# Altium PCB 400182.PcbDoc (part 1 of 3) (continued)
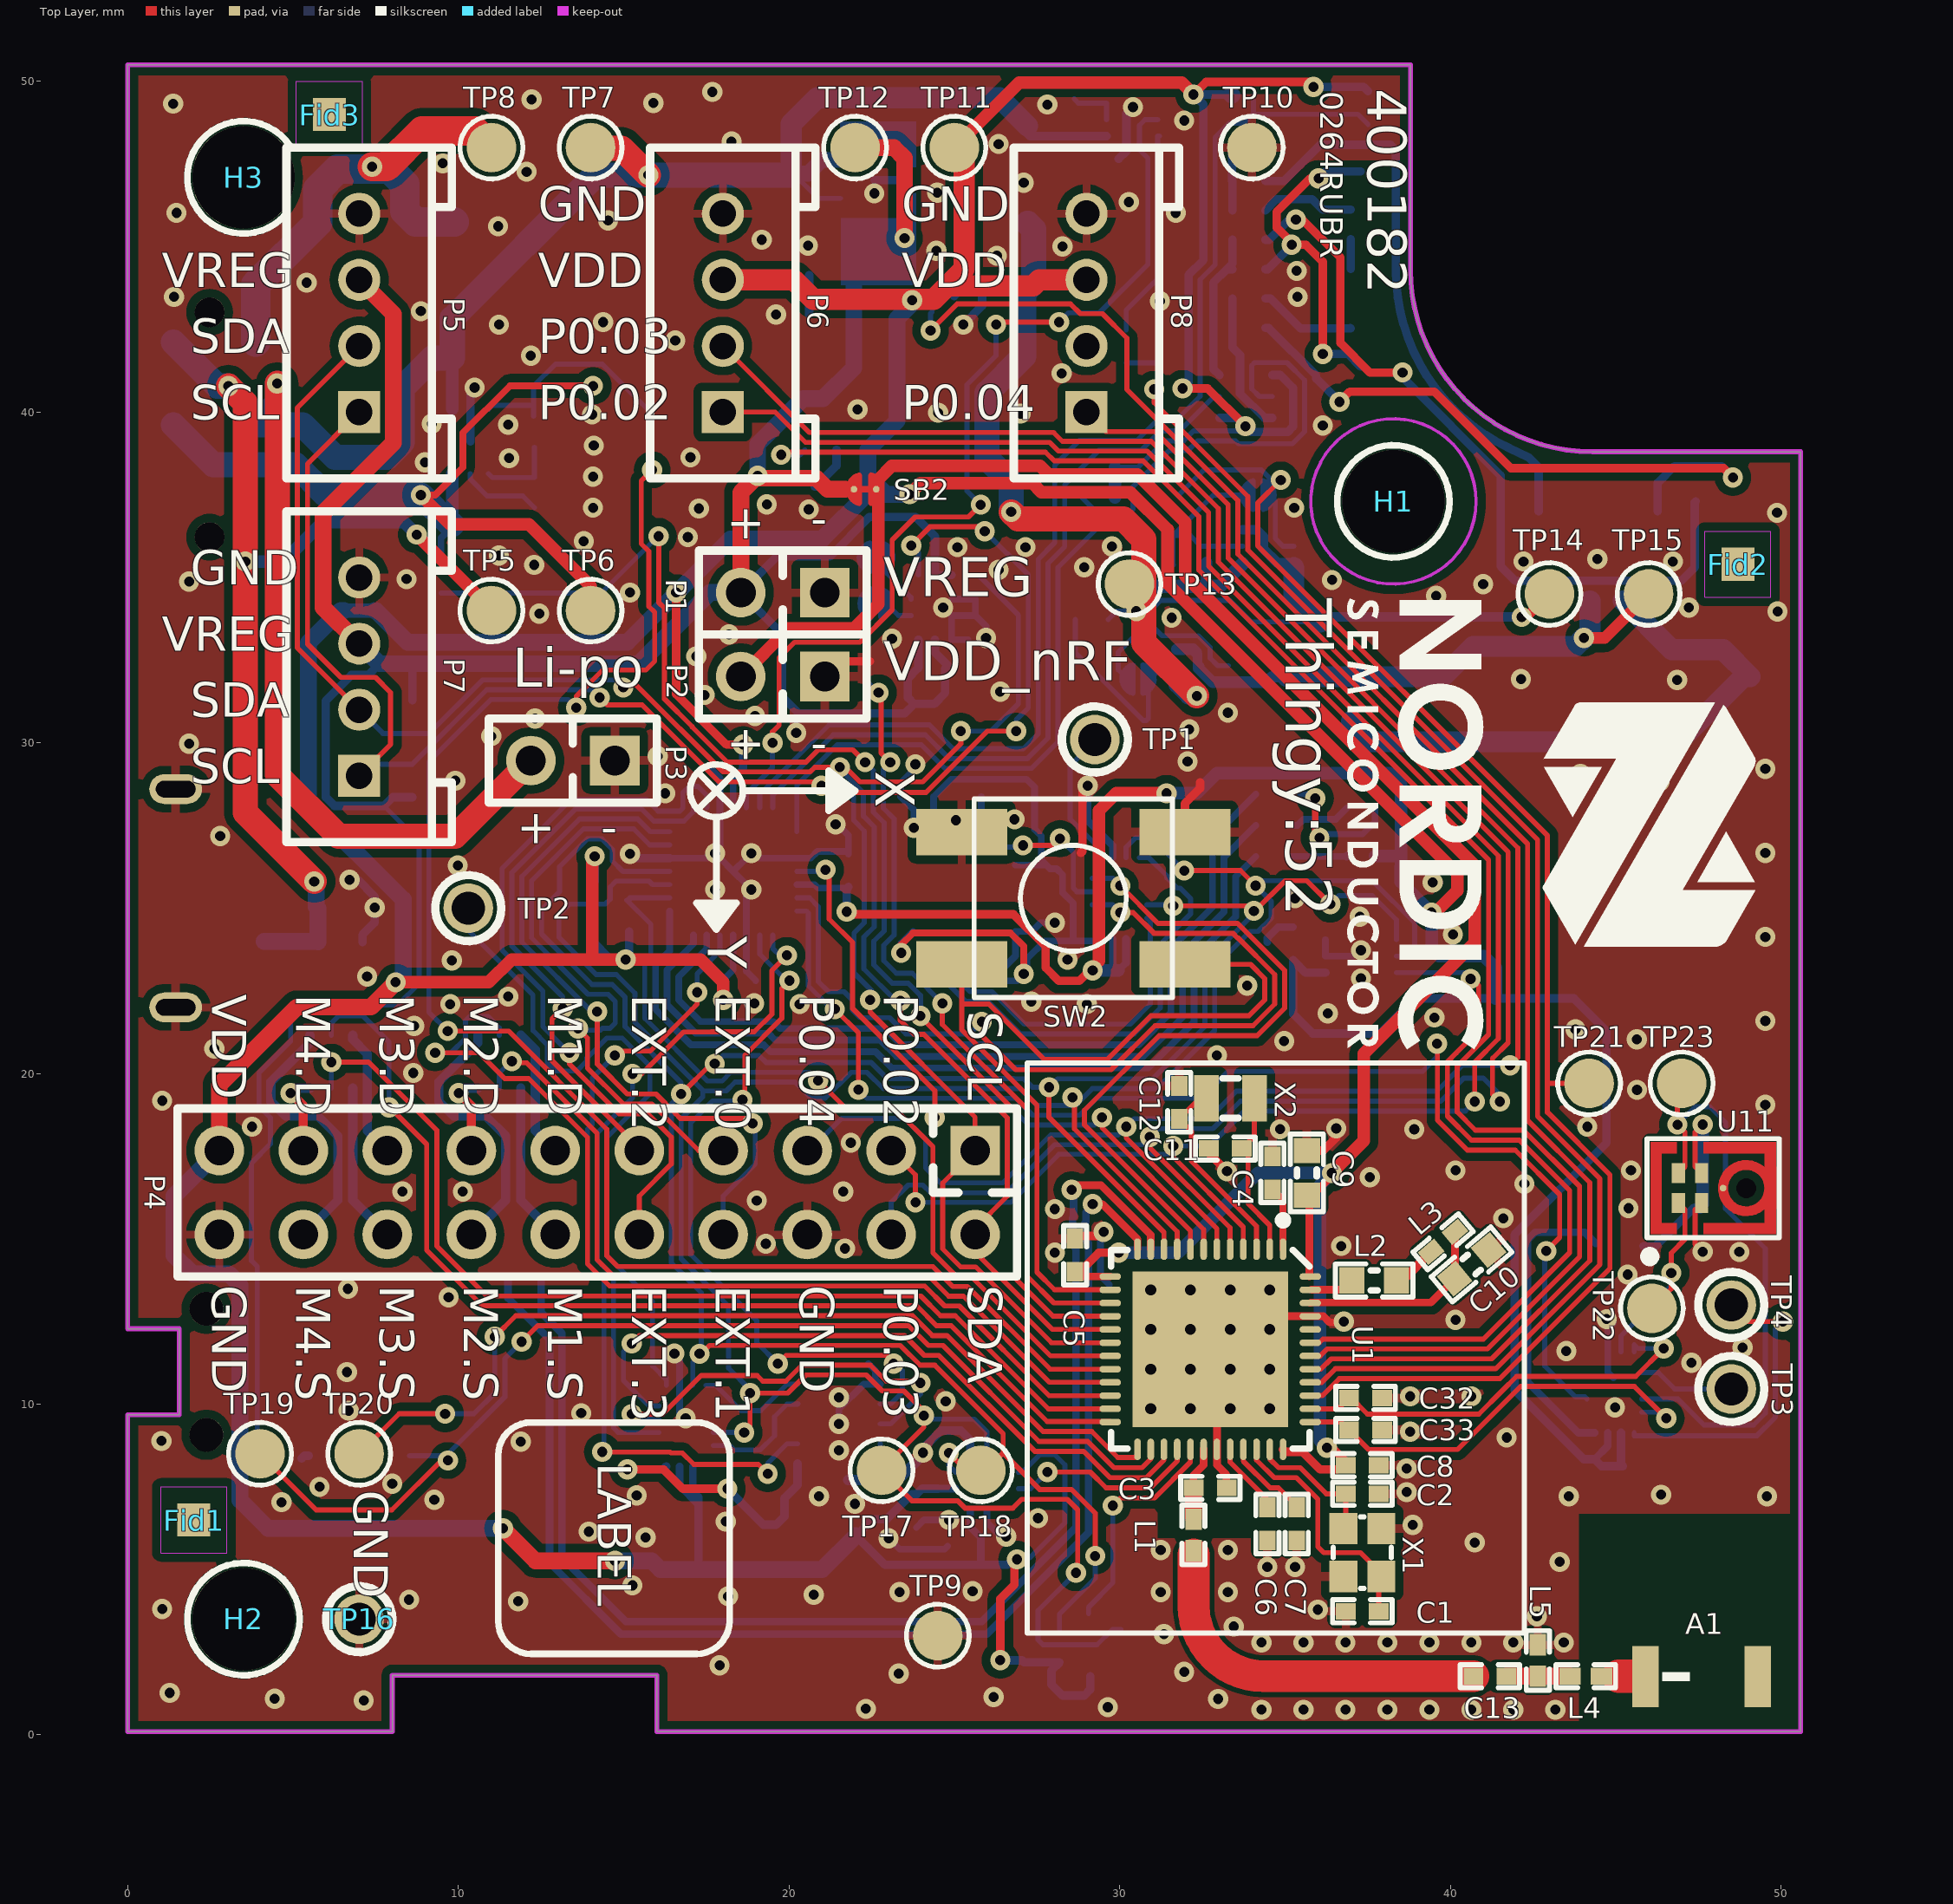
[diagram p0: Top Layer view]
## Components (designator, comment, footprint, x,y, rotation, side; value= is the part's Value field where it differs from the comment)
A1 "2450AT18B100" 2450AT18B100 47.6,1.76 r0 top locked
C1 "12pF" CAPC1005X04L 37.339,3.735 r180 top
C2 "12pF" CAPC1005X04L 37.339,7.291 r0 top
C3 "0.8pF" CAPC1005X04L 32.742,7.469 r180 top
C4 "100nF" CAPC1005X04L 34.622,16.994 r90 top
C5 "100nF" CAPC1005X04L 28.653,14.505 r90 top
C6 "N.C." CAPC1005X04L 34.469,6.377 r90 top
C7 "100pF" CAPC1005X04L 35.358,6.377 r270 top
C8 "100nF" CAPC1005X04L 37.339,8.155 r0 top
C9 "4.7µF" CAPC1608X06L 35.663,16.994 r90 top
C10 "1.0µF" CAPC1608X06L 40.646,14.225 r220 top
C11 "12pF" CAPC1005X04L 33.199,17.731 r180 top
C12 "12pF" CAPC1005X04L 31.802,19.128 r90 top
C13 "2.2pF" CAPC1005X04L 41.2,1.775 r180 top
C14 "100nF" CAPC1005X04L 18.114,29.237 r0 bottom
C15 "100nF" CAPC1005X04L 18.495,22.811 r180 bottom
C16 "100nF" CAPC1005X04L 21.797,26.139 r270 bottom
C17 "100nF" CAPC1005X04L 27.775,25.808 r90 bottom
C18 "100nF" CAPC1005X04L 29.972,22.606 r90 bottom
C19 "10nF" CAPC1005X04L 23.876,28.372 r0 bottom
C20 "100nF" CAPC1005X04L 26.314,28.372 r180 bottom
C21 "100nF" CAPC1005X04L 25.348,32.242 r180 bottom
C22 "10µF" CAPC1608X06L 25.068,31.176 r180 bottom
C23 "100nF" CAPC1005X04L 23.392,32.242 r0 bottom
C24 "100nF" CAPC1005X04L 23.854,6.775 r90 bottom
C25 "100nF" CAPC1005X04L 25.302,5.708 r0 bottom
C26 "100nF" CAPC1005X04L 27.102,1.702 r90 bottom
C27 "100nF" CAPC1005X04L 35.246,23.925 r270 bottom
C28 "1.0µF" CAPC1005X04L 20.111,6.356 r180 bottom
C29 "100nF" CAPC1005X04L 16.764,6.96 r0 bottom
C30 "10nF" CAPC1005X04L 47.096,16.964 r0 bottom
C31 "10µF" CAPC1608X06L 46.868,15.948 r0 bottom
C32 "12pF" CAPC1005X04L 37.44,10.185 r180 top
C33 "12pF" CAPC1005X04L 37.44,9.22 r180 top
C34 "100nF" CAPC1005X04L 45.725,8.125 r180 bottom
C35 "150pF" CAPC1005X04L 31.115,36.271 r0 bottom
C36 "330pF" CAPC1005X04L 30.81,30.175 r90 bottom
C37 "220nF" CAPC1005X04L 44.729,34.29 r0 bottom
C38 "10µF" CAPC1608X06L 6.426,23.978 r0 bottom
C39 "100nF" CAPC1005X04L 6.198,25.044 r0 bottom
C40 "1.0µF" CAPC1608X06L 10.49,41.631 r180 bottom
C41 "1.0µF" CAPC1608X06L 10.49,36.601 r180 bottom
C42 "10µF" CAPC1608X06L 20.066,46.533 r90 bottom
C43 "22µF" CAPC1608X06L 21.285,44.145 r0 bottom
C44 "10µF" CAPC1608X06L 21.285,42.951 r0 bottom
C45 "270pF" CAPC1005X04L 22.37,4.24 r90 bottom
C46 "270pF" CAPC1005X04L 22.37,2.259 r90 bottom
C47 "22µF" CAPC1608X06L 26.518,43.713 r0 bottom
D1 "Zener 2.4V" SOD-523 32.487,37.49 r180 bottom
D2 "Zener 2.4V" SOD-523 29.261,32.741 r0 bottom
FB1 "600R/0.5A" INDC1608X06L 45.161,14.783 r180 bottom
Fid1 "Fiducial mark" Fiducial_Round-Square 2,6.5 r0 top
Fid2 "Fiducial mark" Fiducial_Round-Square 48.7,35.4 r0 top
Fid3 "Fiducial mark" Fiducial_Round-Square 6.1,49 r90 top
H1 "3mm,N.P" HOLE_NP_3MM 38.28,37.3 r180 top locked
H2 "3mm,N.P" HOLE_NP_3MM 3.5,3.5 r0 top
H3 "3mm,N.P" HOLE_NP_3MM 3.5,47.1 r270 top
J1 "MicroUSB-B" USB-Micro-B-RA-SMD-PiP 4.125,25.3 r0 bottom
J2 "HDR-2, 1mm" SM02B-SRSS-TB 9.875,46.25 r270 bottom locked
J3 "FPC 0.5mm RA SMD" FPC_05P-0.5mm-RA-SMD 13,13.8 r180 bottom locked
L1 "3.9nH" INDC1005X04L 32.234,6.047 r270 top
L2 "10µH" INDC1608X06L 37.7,13.743 r180 top
L3 "15nH" INDC1005X04L 39.783,14.91 r220 top
L4 "3.9nH" INDC1005X04L 44.1,1.775 r0 top
L5 "N.C." INDC1005X04L 42.65,2.25 r90 top
L6 "220µH" INDP4040X25N 36.068,32.156 r270 bottom
LD1 "LED RGB" LED_RGB_0606 37.3,27.3 r180 bottom locked
LD2 "LED RGB" MSL0104 36.992,44.328 r90 bottom locked
LD3 "LED RGB" MSL0104 44.475,37 r180 bottom locked
P1 "Pin List 1x2" LIST_1x2-NC 19.812,34.544 r180 top locked
P2 "Pin List 1x2" LIST_1x2-NC 19.812,32.004 r180 top locked
P3 "Pin List 1x2" LIST_1x2-NC 13.462,29.464 r180 top
P4 "Pin Header 2x10" HDR_2x10-NC 14.2,16.4 r180 top locked
P5 "HW4-2.0" TAIFENG_HW4-2.0-NC 7,43 r90 top locked
P6 "HW4-2.0" TAIFENG_HW4-2.0-NC 18,43 r90 top locked
P7 "HW4-2.0" TAIFENG_HW4-2.0-NC 7,32 r90 top locked
P8 "HW4-2.0" TAIFENG_HW4-2.0-NC 29,43 r90 top locked
P9 "Pin Header 2x5" HDR_2x5-SMD-1.27mm-ANG 6.7,10.98 r90 bottom locked
Q1 "DMC2400UV" SOTFL50P162X60-6N 30.378,48.844 r180 bottom
Q2 "DMP2200UDW" SOT-363 33.82,40.473 r270 bottom
Q3 "DMP2200UDW" SOT-363 34.051,48.781 r0 bottom
Q4 "DMC2400UV" SOTFL50P162X60-6N 34.493,35.941 r180 bottom
Q5 "DMC2400UV" SOTFL50P162X60-6N 32.513,32.334 r180 bottom
Q6 "DMN3190LDW" SOT-363 11.237,20.358 r180 bottom
Q7 "DMN3190LDW" SOT-363 6.157,20.358 r180 bottom
R1 "10k" RESC1005X04L 15.091,24.742 r270 bottom
R2 "1M0" RESC1005X04L 30.328,44.78 r90 bottom
R3 "1M0" RESC1005X04L 28.626,48.971 r90 bottom
R4 "169R" RESC1005X04L 33.909,44.323 r0 bottom
R5 "7R15" RESC1005X04L 33.909,46.101 r0 bottom
R6 "11R" RESC1005X04L 33.909,43.434 r0 bottom
R7 "169R" RESC1005X04L 33.909,45.212 r0 bottom
R8 "7R15" RESC1005X04L 33.909,46.99 r0 bottom
R9 "11R" RESC1005X04L 33.909,42.545 r0 bottom
R10 "100R" RESC1005X04L 34.62,28.445 r0 bottom
R11 "39R" RESC1005X04L 34.62,27.505 r0 bottom
R12 "39R" RESC1005X04L 34.62,26.565 r0 bottom
R13 "10k" RESC1005X04L 9.474,35.027 r270 bottom
R14 "18k" RESC1005X04L 10.414,35.027 r90 bottom
R15 "10k" RESC1005X04L 12.776,40.792 r180 bottom
R16 "18k" RESC1005X04L 12.776,39.878 r0 bottom
R17 "27k" RESC1005X04L 12.802,38.024 r0 bottom
R18 "15k" RESC1005X04L 12.802,38.938 r0 bottom
R19 "10k" RESC1005X04L 12.802,37.109 r0 bottom
R20 "1M5" RESC1005X04L 30.201,41.986 r270 bottom
R21 "180k" RESC1005X04L 31.166,41.986 r90 bottom
R22 "4k7" RESC1005X04L 13.538,24.587 r180 bottom
R23 "4k7" RESC1005X04L 13.564,25.756 r180 bottom
R24 "4k7" RESC1005X04L 8.611,30.785 r270 bottom
R25 "4k7" RESC1005X04L 8.611,28.854 r90 bottom
R27 "470R" RESC1005X04L 32.131,35.382 r180 bottom
R28 "470R" RESC1005X04L 29.159,33.731 r180 bottom
R29 "100k" RESC1005X04L 29.362,37.414 r180 bottom
R30 "100k" RESC1005X04L 37.516,49.2 r270 bottom
R31 "100k" RESC1005X04L 29.362,38.329 r180 bottom
S1 "Speaker" "Speaker 15x11x3mm" 44.405,25.3 r90 bottom
SB2 "Solderbridge" Solderbridge_Shorted 22.301,37.668 r180 top net-tie
SB7 "Solderbridge" Solderbridge#1 34.188,37.49 r0 bottom
SB8 "Solderbridge" Solderbridge#2 30.556,31.928 r180 bottom
SB9 "Solderbridge" Solderbridge_Shorted 22.631,35.611 r180 bottom net-tie
SB10 "Solderbridge" Solderbridge#3 22.631,34.214 r180 bottom
SW1 "Switch" Switch-Slide-RA-J-Lead-DPDT-8.5x3.5mm 2.475,39.62 r90 bottom locked
SW2 "PB SW" Switch-PB-6.2x6.3mm-SMD 28.6,25.3 r0 top locked
TP1 "TP" TESTPAD-TH 29.25,30.1 r0 top
TP2 "TP" TESTPAD-TH 10.3,25 r0 top
TP3 "TP" TESTPAD-TH 48.5,10.46 r0 top
TP4 "TP" TESTPAD-TH 48.5,13 r0 top
TP5 "Ø1.5mm,SMD" TP_SMD_Ø1.5mm 11,34 r0 top
TP6 "Ø1.5mm,SMD" TP_SMD_Ø1.5mm 14,34 r0 top
TP7 "Ø1.5mm,SMD" TP_SMD_Ø1.5mm 14,48 r0 top
TP8 "Ø1.5mm,SMD" TP_SMD_Ø1.5mm 11,48 r0 top
TP9 "Ø1.5mm,SMD" TP_SMD_Ø1.5mm 24.5,3 r0 top
TP10 "Ø1.5mm,SMD" TP_SMD_Ø1.5mm 34,48 r0 top
TP11 "Ø1.5mm,SMD" TP_SMD_Ø1.5mm 25,48 r0 top
TP12 "Ø1.5mm,SMD" TP_SMD_Ø1.5mm 22,48 r0 top
TP13 "Ø1.5mm,SMD" TP_SMD_Ø1.5mm 30.3,34.8 r0 top
TP14 "Ø1.5mm,SMD" TP_SMD_Ø1.5mm 43,34.5 r0 top
TP15 "Ø1.5mm,SMD" TP_SMD_Ø1.5mm 46,34.5 r0 top
TP16 "TP" TESTPAD-TH 7,3.5 r90 top
TP17 "Ø1.5mm,SMD" TP_SMD_Ø1.5mm 22.8,8 r0 top
TP18 "Ø1.5mm,SMD" TP_SMD_Ø1.5mm 25.8,8 r0 top
TP19 "Ø1.5mm,SMD" TP_SMD_Ø1.5mm 4,8.5 r0 top
TP20 "Ø1.5mm,SMD" TP_SMD_Ø1.5mm 7,8.5 r0 top
TP21 "Ø1.5mm,SMD" TP_SMD_Ø1.5mm 44.2,19.7 r0 top
TP22 "Ø1.5mm,SMD" TP_SMD_Ø1.5mm 46.1,12.9 r0 top
TP23 "Ø1.5mm,SMD" TP_SMD_Ø1.5mm 47,19.7 r0 top
TP24 "Ø1.5mm,SMD" TP_SMD_Ø1.0mm 24.5,3.81 r180 bottom
TP25 "Ø1.5mm,SMD" TP_SMD_Ø1.0mm 24.5,2.642 r180 bottom
U1 "nRF52832-QFAAB0" QFN40P600X600X90-48N 32.742,11.66 r270 top
U2 "SX1509BIULTRT" QFN40P400X400X60_HS-29N 18.313,26.111 r270 bottom locked
U3 "MPU-9250" QFN40P300X300X105_HS-25N 25.3,25.3 r0 bottom locked
U4 "NX3DV2567" XQFN40P180X260X50-16N 29.995,25.3 r0 bottom
U5 "LIS2DH12" LGA50P200X200X100-12N 24.665,34.097 r270 bottom
U6 "LPS22HB" LGA50P200X200X80-10N 25.984,7.696 r0 bottom locked
U7 "HTS221" HLGA100P200X200X100-6N 29.108,2.692 r0 bottom
U8 "BH1745NUC" WSON50P210X210X60_HS-9N 37.3,23.3 r0 bottom locked
U9 "CCS811" LGA60P270X400X110_HS-11N 21.508,9.404 r180 bottom locked
U10 "NX3DV2567" XQFN40P180X260X50-16N 16.891,9.347 r0 bottom
U11 "MP34DB02" "RHLGA-4 (3x4x1mm)" 48.952,16.534 r0 top locked
U12 "NX3DV2567" XQFN40P180X260X50-16N 44.963,10.36 r0 bottom
U13 "TCK106AF" SOT95P280X140-5N 26.264,47.066 r90 bottom
U14 "XCL210C33" CL-2025 22.581,47.015 r180 bottom
U15 "TCK106AF" SOT95P280X140-5N 21.438,40.208 r90 bottom locked
U16 "XC6804A4E1" USP-6EL 10.363,39.116 r270 bottom
X1 "32MHz" BT-XTAL_2016 37.339,5.513 r90 top
X2 "32.768kHz" XTAL_2012 33.352,19.255 r180 top

## Footprints (in the part's own frame and the unit in brackets; to place one, negate y for a bottom-side part, rotate by r counter-clockwise, add the part's x,y. Pads: shape width x height; smd on the part's side, far side on the other; paste and mask are expansions set on the pad)
2450AT18B100 [mm] "2450MHz Antenna"
  rect 0.8x1.85 smd: 1(-1.7,0) 2(1.7,0)
  Top Layer pour cut-out: -3.71,-4.94 -3.71,4.93 6.09,4.93 6.09,-4.94
  Bottom Layer pour cut-out: -3.71,-4.94 -3.71,4.93 6.09,4.93 6.09,-4.94
  silkscreen extent -1.18,-0.14 -0.34,0.14, body extent -1.7,-0.9 1.7,0.9, height 1.4
BT-XTAL_2016 [mm] "Crystal 2.0 x 1.6 mm"
  rect 0.95x0.85 smd: 1(-0.725,-0.575) 2(0.725,-0.575) 3(0.725,0.575) 4(-0.725,0.575)
  silkscreen extent -1.08,-0.88 1.08,0.88, body extent -1.05,-0.85 1.05,0.85, height 0.56
CAPC1005X04L [mm] "Chip Capacitor, 2-Leads, Body 1.0x0.5mm, IPC High Density"
  rect 0.6x0.5 smd: 1(-0.5,0) 2(0.5,0)
  silkscreen extent -0.9,-0.35 0.9,0.35, body extent -0.51,-0.25 0.51,0.25, height 0.5
CAPC1608X06L [mm] "Chip Capacitor, 2-Leads, Body 1.6x0.8mm, IPC High Density"
  rect 0.75x0.8 smd: 1(-0.675,0) 2(0.675,0)
  silkscreen extent -1.17,-0.5 1.17,0.5, body extent -0.8,-0.43 0.8,0.43, height 0.8
CL-2025 [mm]
  rect 0.55x0.35 smd paste-0.025 mask+0.076: 1(-1.025,0.55) 2(-1.025,0) 3(-1.025,-0.55) 4(1.025,-0.55) 5(1.025,0) 6(1.025,0.55)
  rect 2.1x0.35 smd paste-0.038 mask+0.076: 7(0,1.275) 8(0,-1.275)
  rect 1.1x1.5 smd paste-5 mask+0.076: 9(0,0)
  silkscreen extent -1.8,-1.02 1.07,1.02, body extent -1,-1.25 1,1.25, height 1
Fiducial_Round-Square [mm] "Fiducial Mark"
  rect 1x1 smd paste-10 mask+0.5: 0(0,0)
  round 1 smd far side paste-10 mask+0.5: 0(0,0)
  Top Layer keep-out lines w0.01: -1,-1 -1,1 1,1 1,-1 -1,-1
  Bottom Layer keep-out circle w0.01: c0,0 r1
FPC_05P-0.5mm-RA-SMD [mm] "FPC, 5-Leads, Pitch 0,5mm"
  rect 0.6x2.6 smd: 0(-0.9,-2.3) 0(2.9,-2.3)
  rect 0.3x0.8 smd: 1(0,0) 2(0.5,0) 3(1,0) 4(1.5,0) 5(2,0)
  silkscreen extent -1.45,-3.85 3.45,0, body extent -1.3,-3.85 3.3,0.2, height 1.2
HDR_2x5-SMD-1.27mm-ANG [mm] "Pin Header Angled, 1.27mm SMD, FTSH-105 series, \"SWD\" version"
  round 1.02 hole 1.02 unplated: 0(-1.905,-4.32) 0(1.905,-4.32)
  rect 0.76x2.03 smd: 1(-2.54,-1.525) 2(-2.54,1.525) 3(-1.27,-1.525) 4(-1.27,1.525) 5(0,-1.525) 6(0,1.525) 7(1.27,-1.525) 8(1.27,1.525) 9(2.54,-1.525) 10(2.54,1.525)
  silkscreen extent -3.17,-5.57 3.17,-3.07, body extent -3.18,-8.63 3.17,2.27, height 3.41
HDR_2x10-NC [mm] "Pin Header, 2.54mm through hole"
  rect 1.5x1.5 hole 0.9: 1(-11.43,-1.27)
  round 1.5 hole 0.9: 2(-11.43,1.27) 3(-8.89,-1.27) 4(-8.89,1.27) 5(-6.35,-1.27) 6(-6.35,1.27) 7(-3.81,-1.27) 8(-3.81,1.27) 9(-1.27,-1.27) 10(-1.27,1.27) 11(1.27,-1.27) 12(1.27,1.27) 13(3.81,-1.27) 14(3.81,1.27) 15(6.35,-1.27) 16(6.35,1.27) 17(8.89,-1.27) 18(8.89,1.27) 19(11.43,-1.27) 20(11.43,1.27)
  silkscreen extent -12.7,-2.54 12.7,2.54
HLGA100P200X200X100-6N [mm] "HLGA, 6-Leads, Body 2.00x2.00mm, Pitch 1.00mm, IPC Medium Density"
  rect 0.85x0.45 smd: 1(-0.925,0.5) 2(-0.925,-0.5) 4(0.925,-0.5) 5(0.925,0.5)
  rect 0.45x0.85 smd: 3(0,-0.925) 6(0,0.925)
  silkscreen extent -1.35,-1.07 1.07,1.35, body extent -1.05,-1.05 1.05,1.05, height 1
HOLE_NP_3MM [mm] "Regular 3mm non-plated hole"
  round 3.1 hole 3.1 unplated paste+0 mask+0: ""(0,0)
  silkscreen extent -1.7,-1.7 1.7,1.7
INDC1005X04L [mm] "Chip Inductor, 2-Leads, Body 1.0x0.5mm, IPC High Density"
  rect 0.65x0.5 smd: 1(-0.475,0) 2(0.475,0)
  silkscreen extent -0.9,-0.35 0.9,0.35, body extent -0.5,-0.3 0.5,0.3, height 0.5
INDC1608X06L [mm] "Chip Inductor, 2-Leads, Body 1.6x0.8mm, IPC High Density"
  rect 0.75x0.8 smd: 1(-0.675,0) 2(0.675,0)
  silkscreen extent -1.17,-0.5 1.17,0.5, body extent -0.8,-0.48 0.8,0.47, height 0.8
INDP4040X25N [mm] "Precision Wire Wound Inductor, 2-Leads, Body 4.00x4.00mm, IPC Medium Density"
  rect 1.5x3.6 smd: 1(-1.5,0) 2(1.5,0)
  silkscreen extent -2.1,-2.07 2.1,2.07, body extent -1.95,-1.96 1.95,1.96, height 2.1
LED_RGB_0606 [mm]
  rect 0.65x0.85 smd paste+0: 1(-0.425,0.725) 2(0.425,0.725) 3(0.425,-0.725) 4(-0.425,-0.725)
  silkscreen extent -0.75,-0.8 0.75,0.8, body extent -0.75,-0.8 0.75,0.8, height 0.35
LGA50P200X200X80-10N [mm] "LGA, 10-Leads, Body 2.00x2.00mm, Pitch 0.50mm, IPC Medium Density"
  rect 0.8x0.3 smd mask+0.05: 1(-0.95,0.25) 2(-0.95,-0.25) 6(0.95,-0.25) 7(0.95,0.25)
  rect 0.3x0.8 smd mask+0.05: 3(-0.5,-0.95) 4(0,-0.95) 5(0.5,-0.95) 8(0.5,0.95) 9(0,0.95) 10(-0.5,0.95)
  silkscreen extent -1.45,-1.07 1.08,1.08, body extent -1.05,-1.05 1.05,1.05, height 0.8
LGA50P200X200X100-12N [mm] "LGA, 12-Leads, Body 2.00x2.00mm, Pitch 0.50mm, IPC Medium Density"
  rect 0.7x0.3 smd paste-0.025 mask+0.05: 1(-0.975,0.75) 2(-0.975,0.25) 3(-0.975,-0.25) 4(-0.975,-0.75) 7(0.975,-0.75) 8(0.975,-0.25) 9(0.975,0.25) 10(0.975,0.75)
  rect 0.3x0.7 smd paste-0.025 mask+0.05: 5(-0.25,-0.975) 6(0.25,-0.975) 11(0.25,0.975) 12(-0.25,0.975)
  silkscreen extent -1.45,-1.07 1.08,1.3, body extent -1,-1 1,1, height 1.01
LGA60P270X400X110_HS-11N [mm] "LGA, 10-Leads, Body 2.70x4.00mm, Pitch 0.60mm, Thermal Pad 1.20x2.40mm, IPC Medium Density"
  rect 0.9x0.3 smd mask+0.05: 1(-1.25,1.2) 2(-1.25,0.6) 3(-1.25,0) 4(-1.25,-0.6) 5(-1.25,-1.2) 6(1.25,-1.2) 7(1.25,-0.6) 8(1.25,0) 9(1.25,0.6) 10(1.25,1.2)
  rect 1.2x2.4 smd mask+0.05: 11(0,0)
  silkscreen extent -2.27,-2.1 1.45,2.12, body extent -1.35,-2 1.35,2, height 1.1
LIST_1x2-NC [mm] "Pin List, 2.54mm through hole"
  rect 1.5x1.5 hole 0.9: 1(-1.27,0)
  round 1.5 hole 0.9: 2(1.27,0)
  silkscreen extent -2.54,-1.27 2.54,1.27
MSL0104 [mm]
  rect 1.06x1.58 smd paste+0: 1(-2.95,0.3) 1(2.95,0.3)
  rect 0.6x2.18 smd paste+0: 2(1.8,0) 3(0.9,0) 4(0,0) 5(-0.9,0) 6(-1.8,0)
  silkscreen extent -3.2,1.3 3.2,1.75, body extent -3.45,-0.4 3.45,1.78, height 2.15
QFN40P300X300X105_HS-25N [mm] "QFN, 24-Leads, Body 3,00x3,00mm, Pitch 0,40mm, Thermal Pad 1,54x1,70mm, IPC Medium Density"
  oval 0.7x0.2 smd: 1(-1.55,1) 2(-1.55,0.6) 3(-1.55,0.2) 4(-1.55,-0.2) 5(-1.55,-0.6) 6(-1.55,-1) 13(1.55,-1) 14(1.55,-0.6) 15(1.55,-0.2) 16(1.55,0.2) 17(1.55,0.6) 18(1.55,1)
  oval 0.2x0.7 smd: 7(-1,-1.55) 8(-0.6,-1.55) 9(-0.2,-1.55) 10(0.2,-1.55) 11(0.6,-1.55) 12(1,-1.55) 19(1,1.55) 20(0.6,1.55) 21(0.2,1.55) 22(-0.2,1.55) 23(-0.6,1.55) 24(-1,1.55)
  silkscreen extent -2.47,-1.7 1.7,1.7, body extent -1.55,-1.55 1.55,1.55, height 1.05
QFN40P400X400X60_HS-29N [mm] "QFN, 28-Leads, Body 4,00x4,00mm, Pitch 0,40mm, Thermal Pad 2,65x2,65mm, IPC Medium Density"
  oval 0.85x0.2 smd: 1(-1.925,1.2) 2(-1.925,0.8) 3(-1.925,0.4) 4(-1.925,0) 5(-1.925,-0.4) 6(-1.925,-0.8) 7(-1.925,-1.2) 15(1.925,-1.2) 16(1.925,-0.8) 17(1.925,-0.4) 18(1.925,0) 19(1.925,0.4) 20(1.925,0.8) 21(1.925,1.2)
  oval 0.2x0.85 smd: 8(-1.2,-1.925) 9(-0.8,-1.925) 10(-0.4,-1.925) 11(0,-1.925) 12(0.4,-1.925) 13(0.8,-1.925) 14(1.2,-1.925) 22(1.2,1.925) 23(0.8,1.925) 24(0.4,1.925) 25(0,1.925) 26(-0.4,1.925) 27(-0.8,1.925) 28(-1.2,1.925)
  rect 2.65x2.65 smd: 29(0,0)
  silkscreen extent -2.97,-2.2 2.2,2.2, body extent -2.05,-2.05 2.05,2.05, height 0.6
QFN40P600X600X90-48N [mm] "QFN, 48-Leads, Body 6,0x6,0mm (max), Pitch 0,40mm, IPC Medium Density"
  oval 0.65x0.2 smd: 1(-3.025,2.2) 2(-3.025,1.8) 3(-3.025,1.4) 4(-3.025,1) 5(-3.025,0.6) 6(-3.025,0.2) 7(-3.025,-0.2) 8(-3.025,-0.6) 9(-3.025,-1) 10(-3.025,-1.4) 11(-3.025,-1.8) 12(-3.025,-2.2) 25(3.025,-2.2) 26(3.025,-1.8) 27(3.025,-1.4) 28(3.025,-1) 29(3.025,-0.6) 30(3.025,-0.2) 31(3.025,0.2) 32(3.025,0.6) 33(3.025,1) 34(3.025,1.4) 35(3.025,1.8) 36(3.025,2.2)
  oval 0.2x0.65 smd: 13(-2.2,-3.025) 14(-1.8,-3.025) 15(-1.4,-3.025) 16(-1,-3.025) 17(-0.6,-3.025) 18(-0.2,-3.025) 19(0.2,-3.025) 20(0.6,-3.025) 21(1,-3.025) 22(1.4,-3.025) 23(1.8,-3.025) 24(2.2,-3.025) 37(2.2,3.025) 38(1.8,3.025) 39(1.4,3.025) 40(1,3.025) 41(0.6,3.025) 42(0.2,3.025) 43(-0.2,3.025) 44(-0.6,3.025) 45(-1,3.025) 46(-1.4,3.025) 47(-1.8,3.025) 48(-2.2,3.025)
  rect 4.7x4.7 smd: 49(0,0)
  silkscreen extent -4.02,-3 3,3, body extent -3.02,-3.02 3.02,3.02, height 0.86
RESC1005X04L [mm] "Chip Resistor, 2-Leads, Body 1.0x0.5mm, IPC High Density"
  rect 0.6x0.55 smd: 1(-0.5,0) 2(0.5,0)
  silkscreen extent -0.87,-0.38 0.88,0.38, body extent -0.5,-0.25 0.5,0.25, height 0.3
"RHLGA-4 (3x4x1mm)" [mm] "RHLGA-4 Package, 3mm x 4mm x 1mm"
  round 0.3 hole 0.6 unplated: 0(0,0)
  rect 0.4x0.6 smd paste-8 mask+0.076: 1(-2.05,-0.45) 2(-1.35,-0.45) 3(-1.35,0.45) 4(-2.05,0.45)
  round 0.2 smd paste-8 mask+0.076: 5(-0.7,0)
  Top Layer circle w0.3: c0,0 r0.7
  Top Layer region: 0.55,1.4 -1.3,1.4 -1.3,1.05 0.55,1.05
  Top Layer region: -2.1,1.4 -2.55,1.4 -2.55,1.05 -2.1,1.05
  Top Layer region: -2.1,-1.05 -2.55,-1.05 -2.55,-1.4 -2.1,-1.4